# Altium PCB JTAG-批量下载V06.PcbDoc (part 12 of 13) (continued)
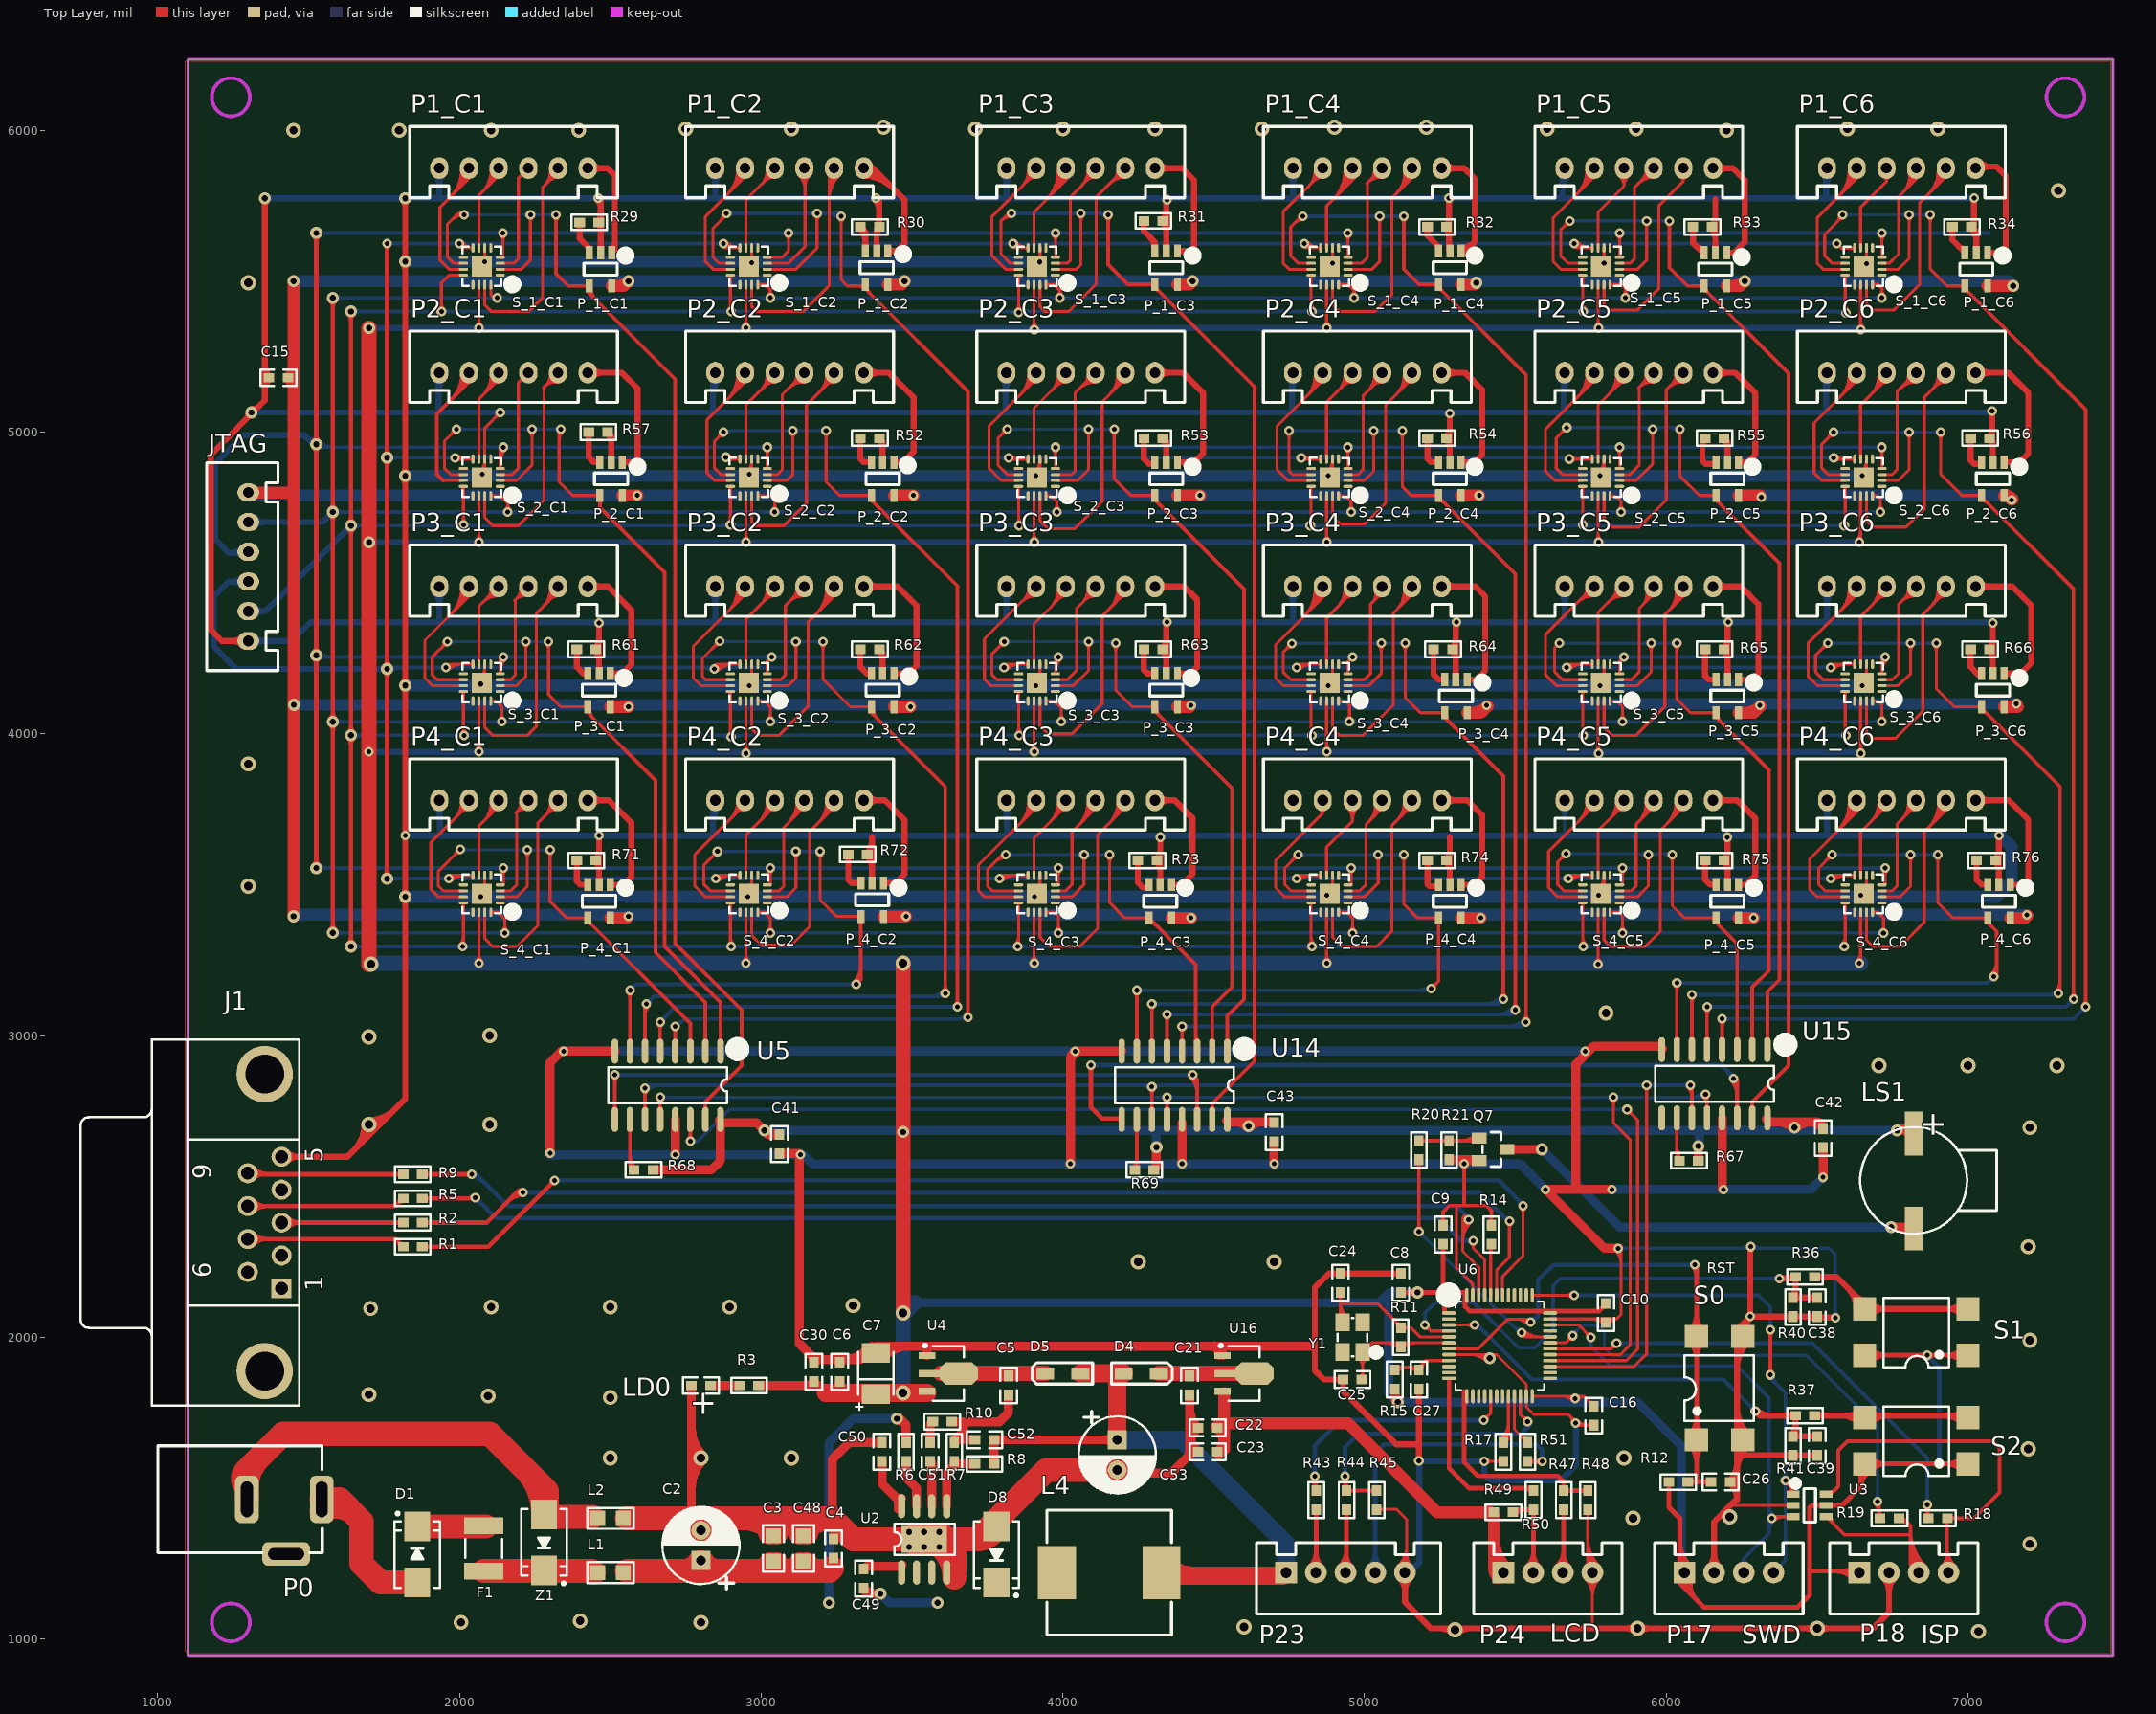
[diagram p0: Top Layer view]
## Nets (pads, with @x,y where several pads share a name; then routed paths per layer and width w, separated by ;. In a path a pad name is that pad's centre, name@x,y a point inside that pad or via, vN(x,y) a via of type N, cw(c..) or ccw(c..) an arc to the next point about the centre after c; other vN are vias at no path point) (continued)
TCK_2_C2: P2_C2.4 S_2_C2.7 | length 730.5
  Top Layer w10: S_2_C2.7@2949.13,4910.55 2949.13,5089.13 3044.72,5184.72 P2_C2.4@3044.72,5196.85 ; 2997.71,5137.71 ccw(c2944.58,5190.85) P2_C2.4@3019.72,5190.85 ; 2997.71,5137.71 ccw(c2944.58,5190.85) P2_C2.4@3019.72,5190.85 ; 2997.71,5137.71 ccw(c2944.58,5190.85) P2_C2.4@3019.72,5190.85 ; 3012.5,5152.5 cw(c3044.72,5120.29) P2_C2.4@3044.72,5165.85 ; 3012.5,5152.5 cw(c3044.72,5120.29) P2_C2.4@3044.72,5165.85 ; 3012.5,5152.5 cw(c3044.72,5120.29) P2_C2.4@3044.72,5165.85 ; 3014.79,5154.79 ccw(c2978.72,5190.85) P2_C2.4@3029.72,5190.85 ; 3014.79,5154.79 ccw(c2978.72,5190.85) P2_C2.4@3029.72,5190.85 ; 3014.79,5154.79 ccw(c2978.72,5190.85) P2_C2.4@3029.72,5190.85
TCK_2_C3: P2_C3.4 S_2_C3.7 | length 730
  Top Layer w10: S_2_C3.7@3904.13,4910.55 3904.13,5079.13 P2_C3.4@4015,5190 ; 3962.71,5137.71 ccw(c3909.58,5190.85) P2_C3.4@3984.72,5190.85 ; 3962.71,5137.71 ccw(c3909.58,5190.85) P2_C3.4@3984.72,5190.85 ; 3962.71,5137.71 ccw(c3909.58,5190.85) P2_C3.4@3984.72,5190.85 ; 3977.5,5152.5 cw(c4009.72,5120.29) P2_C3.4@4009.72,5165.85 ; 3977.5,5152.5 cw(c4009.72,5120.29) P2_C3.4@4009.72,5165.85 ; 3977.5,5152.5 cw(c4009.72,5120.29) P2_C3.4@4009.72,5165.85 ; 3979.79,5154.79 ccw(c3943.72,5190.85) P2_C3.4@3994.72,5190.85 ; 3979.79,5154.79 ccw(c3943.72,5190.85) P2_C3.4@3994.72,5190.85 ; 3979.79,5154.79 ccw(c3943.72,5190.85) P2_C3.4@3994.72,5190.85
TCK_2_C4: P2_C4.4 S_2_C4.7 | length 721.7
  Top Layer w10: S_2_C4.7@4874.13,4910.55 4874.13,5099.13 P2_C4.4@4965,5190 ; 4912.71,5137.71 ccw(c4859.58,5190.85) P2_C4.4@4934.72,5190.85 ; 4912.71,5137.71 ccw(c4859.58,5190.85) P2_C4.4@4934.72,5190.85 ; 4912.71,5137.71 ccw(c4859.58,5190.85) P2_C4.4@4934.72,5190.85 ; 4927.5,5152.5 cw(c4959.72,5120.29) P2_C4.4@4959.72,5165.85 ; 4927.5,5152.5 cw(c4959.72,5120.29) P2_C4.4@4959.72,5165.85 ; 4927.5,5152.5 cw(c4959.72,5120.29) P2_C4.4@4959.72,5165.85 ; 4929.79,5154.79 ccw(c4893.72,5190.85) P2_C4.4@4944.72,5190.85 ; 4929.79,5154.79 ccw(c4893.72,5190.85) P2_C4.4@4944.72,5190.85 ; 4929.79,5154.79 ccw(c4893.72,5190.85) P2_C4.4@4944.72,5190.85
TCK_2_C5: P2_C5.4 S_2_C5.7 | length 903.4
  Top Layer w10: S_2_C5.7@5774.13,4910.55 5774.13,5089.13 5859.72,5174.72 P2_C5.4@5859.72,5196.85 ; 5805.64,5120.64 ccw(c5735.44,5190.85) P2_C5.4@5834.72,5190.85 ; 5805.64,5120.64 ccw(c5735.44,5190.85) P2_C5.4@5834.72,5190.85 ; 5805.64,5120.64 ccw(c5735.44,5190.85) P2_C5.4@5834.72,5190.85 ; 5822.71,5137.71 ccw(c5769.58,5190.85) P2_C5.4@5844.72,5190.85 ; 5822.71,5137.71 ccw(c5769.58,5190.85) P2_C5.4@5844.72,5190.85 ; 5822.71,5137.71 ccw(c5769.58,5190.85) P2_C5.4@5844.72,5190.85 ; 5839.79,5154.79 ccw(c5803.72,5190.85) P2_C5.4@5854.72,5190.85 ; 5839.79,5154.79 ccw(c5803.72,5190.85) P2_C5.4@5854.72,5190.85 ; 5839.79,5154.79 ccw(c5803.72,5190.85) P2_C5.4@5854.72,5190.85 ; 5844.58,5159.58 cw(c5859.72,5144.43) P2_C5.4@5859.72,5165.85 ; 5844.58,5159.58 cw(c5859.72,5144.43) P2_C5.4@5859.72,5165.85 ; 5844.58,5159.58 cw(c5859.72,5144.43) P2_C5.4@5859.72,5165.85
TCK_2_C6: P2_C6.4 S_2_C6.7 | length 903.4
  Top Layer w10: S_2_C6.7@6644.13,4910.55 6644.13,5089.13 6729.72,5174.72 P2_C6.4@6729.72,5196.85 ; 6675.64,5120.64 ccw(c6605.44,5190.85) P2_C6.4@6704.72,5190.85 ; 6675.64,5120.64 ccw(c6605.44,5190.85) P2_C6.4@6704.72,5190.85 ; 6675.64,5120.64 ccw(c6605.44,5190.85) P2_C6.4@6704.72,5190.85 ; 6692.71,5137.71 ccw(c6639.58,5190.85) P2_C6.4@6714.72,5190.85 ; 6692.71,5137.71 ccw(c6639.58,5190.85) P2_C6.4@6714.72,5190.85 ; 6692.71,5137.71 ccw(c6639.58,5190.85) P2_C6.4@6714.72,5190.85 ; 6709.79,5154.79 ccw(c6673.72,5190.85) P2_C6.4@6724.72,5190.85 ; 6709.79,5154.79 ccw(c6673.72,5190.85) P2_C6.4@6724.72,5190.85 ; 6709.79,5154.79 ccw(c6673.72,5190.85) P2_C6.4@6724.72,5190.85 ; 6714.58,5159.58 cw(c6729.72,5144.43) P2_C6.4@6729.72,5165.85 ; 6714.58,5159.58 cw(c6729.72,5144.43) P2_C6.4@6729.72,5165.85 ; 6714.58,5159.58 cw(c6729.72,5144.43) P2_C6.4@6729.72,5165.85
TCK_3_C1: P3_C1.4 S_3_C1.7 | length 688.7
  Top Layer w10: S_3_C1.7@2064.13,4230.55 2064.13,4422.6 P3_C1.4@2129.72,4488.19 ; 2076.8,4435.27 cw(c2129.72,4382.35) P3_C1.4@2129.72,4457.19 ; 2076.8,4435.27 cw(c2129.72,4382.35) P3_C1.4@2129.72,4457.19 ; 2076.8,4435.27 cw(c2129.72,4382.35) P3_C1.4@2129.72,4457.19 ; 2091.29,4449.75 ccw(c2058.85,4482.19) P3_C1.4@2104.72,4482.19 ; 2091.29,4449.75 ccw(c2058.85,4482.19) P3_C1.4@2104.72,4482.19 ; 2091.29,4449.75 ccw(c2058.85,4482.19) P3_C1.4@2104.72,4482.19 ; 2093.87,4452.34 cw(c2129.72,4416.49) P3_C1.4@2129.72,4467.19 ; 2093.87,4452.34 cw(c2129.72,4416.49) P3_C1.4@2129.72,4467.19 ; 2093.87,4452.34 cw(c2129.72,4416.49) P3_C1.4@2129.72,4467.19
TCK_3_C2: P3_C2.4 S_3_C2.7 | length 696.4
  Top Layer w10: S_3_C2.7@2949.13,4230.55 2949.13,4379.13 P3_C2.4@3045,4475 ; 2996.77,4426.77 ccw(c2941.35,4482.19) P3_C2.4@3019.72,4482.19 ; 2996.77,4426.77 ccw(c2941.35,4482.19) P3_C2.4@3019.72,4482.19 ; 2996.77,4426.77 ccw(c2941.35,4482.19) P3_C2.4@3019.72,4482.19 ; 3013.84,4443.84 ccw(c2975.49,4482.19) P3_C2.4@3029.72,4482.19 ; 3013.84,4443.84 ccw(c2975.49,4482.19) P3_C2.4@3029.72,4482.19 ; 3013.84,4443.84 ccw(c2975.49,4482.19) P3_C2.4@3029.72,4482.19 ; 3014.79,4444.79 cw(c3044.72,4414.86) P3_C2.4@3044.72,4457.19 ; 3014.79,4444.79 cw(c3044.72,4414.86) P3_C2.4@3044.72,4457.19 ; 3014.79,4444.79 cw(c3044.72,4414.86) P3_C2.4@3044.72,4457.19
TCK_3_C3: P3_C3.4 S_3_C3.7 | length 830.4
  Top Layer w10: S_3_C3.7@3904.13,4230.55 3904.13,4364.13 P3_C3.4@4015,4475 ; 3958.23,4418.23 ccw(c3894.28,4482.19) P3_C3.4@3984.72,4482.19 ; 3958.23,4418.23 ccw(c3894.28,4482.19) P3_C3.4@3984.72,4482.19 ; 3958.23,4418.23 ccw(c3894.28,4482.19) P3_C3.4@3984.72,4482.19 ; 3975.3,4435.3 ccw(c3928.42,4482.19) P3_C3.4@3994.72,4482.19 ; 3975.3,4435.3 ccw(c3928.42,4482.19) P3_C3.4@3994.72,4482.19 ; 3975.3,4435.3 ccw(c3928.42,4482.19) P3_C3.4@3994.72,4482.19 ; 3988.33,4448.33 cw(c4009.72,4426.93) P3_C3.4@4009.72,4457.19 ; 3988.33,4448.33 cw(c4009.72,4426.93) P3_C3.4@4009.72,4457.19 ; 3988.33,4448.33 cw(c4009.72,4426.93) P3_C3.4@4009.72,4457.19 ; 3992.37,4452.37 ccw(c3962.56,4482.19) P3_C3.4@4004.72,4482.19 ; 3992.37,4452.37 ccw(c3962.56,4482.19) P3_C3.4@4004.72,4482.19 ; 3992.37,4452.37 ccw(c3962.56,4482.19) P3_C3.4@4004.72,4482.19
TCK_3_C4: P3_C4.4 S_3_C4.7 | length 822.1
  Top Layer w10: S_3_C4.7@4874.13,4230.55 4874.13,4384.13 P3_C4.4@4965,4475 ; 4908.23,4418.23 ccw(c4844.28,4482.19) P3_C4.4@4934.72,4482.19 ; 4908.23,4418.23 ccw(c4844.28,4482.19) P3_C4.4@4934.72,4482.19 ; 4908.23,4418.23 ccw(c4844.28,4482.19) P3_C4.4@4934.72,4482.19 ; 4925.3,4435.3 ccw(c4878.42,4482.19) P3_C4.4@4944.72,4482.19 ; 4925.3,4435.3 ccw(c4878.42,4482.19) P3_C4.4@4944.72,4482.19 ; 4925.3,4435.3 ccw(c4878.42,4482.19) P3_C4.4@4944.72,4482.19 ; 4938.33,4448.33 cw(c4959.72,4426.93) P3_C4.4@4959.72,4457.19 ; 4938.33,4448.33 cw(c4959.72,4426.93) P3_C4.4@4959.72,4457.19 ; 4938.33,4448.33 cw(c4959.72,4426.93) P3_C4.4@4959.72,4457.19 ; 4942.37,4452.37 ccw(c4912.56,4482.19) P3_C4.4@4954.72,4482.19 ; 4942.37,4452.37 ccw(c4912.56,4482.19) P3_C4.4@4954.72,4482.19 ; 4942.37,4452.37 ccw(c4912.56,4482.19) P3_C4.4@4954.72,4482.19
TCK_3_C5: P3_C5.4 S_3_C5.7 | length 697
  Top Layer w10: S_3_C5.7@5774.13,4230.55 5774.13,4402.6 P3_C5.4@5859.72,4488.19 ; 5806.8,4435.27 cw(c5859.72,4382.35) P3_C5.4@5859.72,4457.19 ; 5806.8,4435.27 cw(c5859.72,4382.35) P3_C5.4@5859.72,4457.19 ; 5806.8,4435.27 cw(c5859.72,4382.35) P3_C5.4@5859.72,4457.19 ; 5821.29,4449.75 ccw(c5788.85,4482.19) P3_C5.4@5834.72,4482.19 ; 5821.29,4449.75 ccw(c5788.85,4482.19) P3_C5.4@5834.72,4482.19 ; 5821.29,4449.75 ccw(c5788.85,4482.19) P3_C5.4@5834.72,4482.19 ; 5823.87,4452.34 cw(c5859.72,4416.49) P3_C5.4@5859.72,4467.19 ; 5823.87,4452.34 cw(c5859.72,4416.49) P3_C5.4@5859.72,4467.19 ; 5823.87,4452.34 cw(c5859.72,4416.49) P3_C5.4@5859.72,4467.19
TCK_3_C6: P3_C6.4 S_3_C6.7 | length 692.2
  Top Layer w10: S_3_C6.7@6644.13,4230.55 6644.13,4389.13 P3_C6.4@6730,4475 ; 6681.77,4426.77 ccw(c6626.35,4482.19) P3_C6.4@6704.72,4482.19 ; 6681.77,4426.77 ccw(c6626.35,4482.19) P3_C6.4@6704.72,4482.19 ; 6681.77,4426.77 ccw(c6626.35,4482.19) P3_C6.4@6704.72,4482.19 ; 6698.84,4443.84 ccw(c6660.49,4482.19) P3_C6.4@6714.72,4482.19 ; 6698.84,4443.84 ccw(c6660.49,4482.19) P3_C6.4@6714.72,4482.19 ; 6698.84,4443.84 ccw(c6660.49,4482.19) P3_C6.4@6714.72,4482.19 ; 6699.79,4444.79 cw(c6729.72,4414.86) P3_C6.4@6729.72,4457.19 ; 6699.79,4444.79 cw(c6729.72,4414.86) P3_C6.4@6729.72,4457.19 ; 6699.79,4444.79 cw(c6729.72,4414.86) P3_C6.4@6729.72,4457.19
TCK_4_C1: P4_C1.4 S_4_C1.7 | length 819
  Top Layer w10: S_4_C1.7@2064.13,3530.55 2064.13,3694.13 P4_C1.4@2135,3765 ; 2077.29,3707.29 ccw(c2011.04,3773.53) P4_C1.4@2104.72,3773.53 ; 2077.29,3707.29 ccw(c2011.04,3773.53) P4_C1.4@2104.72,3773.53 ; 2077.29,3707.29 ccw(c2011.04,3773.53) P4_C1.4@2104.72,3773.53 ; 2094.36,3724.36 ccw(c2045.19,3773.53) P4_C1.4@2114.72,3773.53 ; 2094.36,3724.36 ccw(c2045.19,3773.53) P4_C1.4@2114.72,3773.53 ; 2094.36,3724.36 ccw(c2045.19,3773.53) P4_C1.4@2114.72,3773.53 ; 2110.61,3740.61 cw(c2129.72,3721.5) P4_C1.4@2129.72,3748.53 ; 2110.61,3740.61 cw(c2129.72,3721.5) P4_C1.4@2129.72,3748.53 ; 2110.61,3740.61 cw(c2129.72,3721.5) P4_C1.4@2129.72,3748.53 ; 2111.43,3741.43 ccw(c2079.33,3773.53) P4_C1.4@2124.72,3773.53 ; 2111.43,3741.43 ccw(c2079.33,3773.53) P4_C1.4@2124.72,3773.53 ; 2111.43,3741.43 ccw(c2079.33,3773.53) P4_C1.4@2124.72,3773.53
TCK_4_C2: P4_C2.4 S_4_C2.7 | length 838.5
  Top Layer w10: S_4_C2.7@2949.13,3530.55 2949.13,3664.13 P4_C2.4@3055,3770 ; 2992.29,3707.29 ccw(c2926.04,3773.53) P4_C2.4@3019.72,3773.53 ; 2992.29,3707.29 ccw(c2926.04,3773.53) P4_C2.4@3019.72,3773.53 ; 2992.29,3707.29 ccw(c2926.04,3773.53) P4_C2.4@3019.72,3773.53 ; 3009.36,3724.36 ccw(c2960.19,3773.53) P4_C2.4@3029.72,3773.53 ; 3009.36,3724.36 ccw(c2960.19,3773.53) P4_C2.4@3029.72,3773.53 ; 3009.36,3724.36 ccw(c2960.19,3773.53) P4_C2.4@3029.72,3773.53 ; 3025.61,3740.61 cw(c3044.72,3721.5) P4_C2.4@3044.72,3748.53 ; 3025.61,3740.61 cw(c3044.72,3721.5) P4_C2.4@3044.72,3748.53 ; 3025.61,3740.61 cw(c3044.72,3721.5) P4_C2.4@3044.72,3748.53 ; 3026.43,3741.43 ccw(c2994.33,3773.53) P4_C2.4@3039.72,3773.53 ; 3026.43,3741.43 ccw(c2994.33,3773.53) P4_C2.4@3039.72,3773.53 ; 3026.43,3741.43 ccw(c2994.33,3773.53) P4_C2.4@3039.72,3773.53
TCK_4_C3: P4_C3.4 S_4_C3.7 | length 842.7
  Top Layer w10: S_4_C3.7@3904.13,3530.55 3904.13,3654.13 P4_C3.4@4020,3770 ; 3957.29,3707.29 ccw(c3891.04,3773.53) P4_C3.4@3984.72,3773.53 ; 3957.29,3707.29 ccw(c3891.04,3773.53) P4_C3.4@3984.72,3773.53 ; 3957.29,3707.29 ccw(c3891.04,3773.53) P4_C3.4@3984.72,3773.53 ; 3974.36,3724.36 ccw(c3925.19,3773.53) P4_C3.4@3994.72,3773.53 ; 3974.36,3724.36 ccw(c3925.19,3773.53) P4_C3.4@3994.72,3773.53 ; 3974.36,3724.36 ccw(c3925.19,3773.53) P4_C3.4@3994.72,3773.53 ; 3990.61,3740.61 cw(c4009.72,3721.5) P4_C3.4@4009.72,3748.53 ; 3990.61,3740.61 cw(c4009.72,3721.5) P4_C3.4@4009.72,3748.53 ; 3990.61,3740.61 cw(c4009.72,3721.5) P4_C3.4@4009.72,3748.53 ; 3991.43,3741.43 ccw(c3959.33,3773.53) P4_C3.4@4004.72,3773.53 ; 3991.43,3741.43 ccw(c3959.33,3773.53) P4_C3.4@4004.72,3773.53 ; 3991.43,3741.43 ccw(c3959.33,3773.53) P4_C3.4@4004.72,3773.53
TCK_4_C4: P4_C4.4 S_4_C4.7 | length 739.5
  Top Layer w10: S_4_C4.7@4874.13,3530.55 4874.13,3624.13 4959.72,3709.72 P4_C4.4@4959.72,3779.53 ; P4_C4.4@4942.05,3755.85 cw(c4899.37,3713.17) 4959.72,3713.17 ; P4_C4.4@4942.05,3755.85 cw(c4899.37,3713.17) 4959.72,3713.17 ; P4_C4.4@4942.05,3755.85 cw(c4899.37,3713.17) 4959.72,3713.17 ; P4_C4.4@4949.12,3762.92 cw(c4923.51,3737.31) 4959.72,3737.31 ; P4_C4.4@4949.12,3762.92 cw(c4923.51,3737.31) 4959.72,3737.31 ; P4_C4.4@4949.12,3762.92 cw(c4923.51,3737.31) 4959.72,3737.31 ; 4959.72,3713.17 cw(c5020.08,3713.17) P4_C4.4@4977.4,3755.85 ; 4959.72,3713.17 cw(c5020.08,3713.17) P4_C4.4@4977.4,3755.85 ; 4959.72,3713.17 cw(c5020.08,3713.17) P4_C4.4@4977.4,3755.85 ; 4959.72,3737.31 cw(c4995.94,3737.31) P4_C4.4@4970.33,3762.92 ; 4959.72,3737.31 cw(c4995.94,3737.31) P4_C4.4@4970.33,3762.92 ; 4959.72,3737.31 cw(c4995.94,3737.31) P4_C4.4@4970.33,3762.92
TCK_4_C5: P4_C5.4 S_4_C5.7 | length 696.9
  Top Layer w10: S_4_C5.7@5774.13,3530.55 5774.13,3679.13 P4_C5.4@5865,3770 ; 5810.82,3715.82 ccw(c5753.11,3773.53) P4_C5.4@5834.72,3773.53 ; 5810.82,3715.82 ccw(c5753.11,3773.53) P4_C5.4@5834.72,3773.53 ; 5810.82,3715.82 ccw(c5753.11,3773.53) P4_C5.4@5834.72,3773.53 ; 5827.89,3732.89 ccw(c5787.26,3773.53) P4_C5.4@5844.72,3773.53 ; 5827.89,3732.89 ccw(c5787.26,3773.53) P4_C5.4@5844.72,3773.53 ; 5827.89,3732.89 ccw(c5787.26,3773.53) P4_C5.4@5844.72,3773.53 ; 5832.07,3737.08 cw(c5859.72,3709.43) P4_C5.4@5859.72,3748.53 ; 5832.07,3737.08 cw(c5859.72,3709.43) P4_C5.4@5859.72,3748.53 ; 5832.07,3737.08 cw(c5859.72,3709.43) P4_C5.4@5859.72,3748.53
TCK_4_C6: P4_C6.4 S_4_C6.7 | length 834.4
  Top Layer w10: S_4_C6.7@6644.13,3530.55 6644.13,3674.13 P4_C6.4@6740,3770 ; 6677.29,3707.29 ccw(c6611.04,3773.53) P4_C6.4@6704.72,3773.53 ; 6677.29,3707.29 ccw(c6611.04,3773.53) P4_C6.4@6704.72,3773.53 ; 6677.29,3707.29 ccw(c6611.04,3773.53) P4_C6.4@6704.72,3773.53 ; 6694.36,3724.36 ccw(c6645.19,3773.53) P4_C6.4@6714.72,3773.53 ; 6694.36,3724.36 ccw(c6645.19,3773.53) P4_C6.4@6714.72,3773.53 ; 6694.36,3724.36 ccw(c6645.19,3773.53) P4_C6.4@6714.72,3773.53 ; 6710.61,3740.61 cw(c6729.72,3721.5) P4_C6.4@6729.72,3748.53 ; 6710.61,3740.61 cw(c6729.72,3721.5) P4_C6.4@6729.72,3748.53 ; 6710.61,3740.61 cw(c6729.72,3721.5) P4_C6.4@6729.72,3748.53 ; 6711.43,3741.43 ccw(c6679.33,3773.53) P4_C6.4@6724.72,3773.53 ; 6711.43,3741.43 ccw(c6679.33,3773.53) P4_C6.4@6724.72,3773.53 ; 6711.43,3741.43 ccw(c6679.33,3773.53) P4_C6.4@6724.72,3773.53
TDI_1_C1: P1_C1.3 S_1_C1.3 | length 380.2
  Top Layer w10: S_1_C1.3@2135,5559.37 2179.37,5559.37 2195,5575 2195,5841.85 P1_C1.3@2228.15,5875
TDI_1_C2: P1_C2.3 S_1_C2.3 | length 867.3
  Top Layer w10: S_1_C2.3@3020,5559.37 3089.37,5559.37 3145,5615 3145,5865 P1_C2.3@3135,5875 ; P1_C2.3@3125.47,5851.32 cw(c3078.33,5804.18) 3145,5804.18 ; P1_C2.3@3125.47,5851.32 cw(c3078.33,5804.18) 3145,5804.18 ; P1_C2.3@3125.47,5851.32 cw(c3078.33,5804.18) 3145,5804.18 ; P1_C2.3@3132.54,5858.39 cw(c3102.47,5828.32) 3145,5828.32 ; P1_C2.3@3132.54,5858.39 cw(c3102.47,5828.32) 3145,5828.32 ; P1_C2.3@3132.54,5858.39 cw(c3102.47,5828.32) 3145,5828.32 ; 3145,5813.11 cw(c3199.04,5813.11) P1_C2.3@3160.83,5851.32 ; 3145,5813.11 cw(c3199.04,5813.11) P1_C2.3@3160.83,5851.32 ; 3145,5813.11 cw(c3199.04,5813.11) P1_C2.3@3160.83,5851.32 ; 3145,5837.25 cw(c3174.9,5837.25) P1_C2.3@3153.76,5858.39 ; 3145,5837.25 cw(c3174.9,5837.25) P1_C2.3@3153.76,5858.39 ; 3145,5837.25 cw(c3174.9,5837.25) P1_C2.3@3153.76,5858.39
TDI_1_C3: P1_C3.3 S_1_C3.3 | length 787.6
  Top Layer w10: S_1_C3.3@3975,5559.37 4014.37,5559.37 4025,5570 4025,5780 P1_C3.3@4110,5865 ; 4061.34,5816.34 ccw(c4008.67,5869) P1_C3.3@4083.15,5869 ; 4061.34,5816.34 ccw(c4008.67,5869) P1_C3.3@4083.15,5869 ; 4061.34,5816.34 ccw(c4008.67,5869) P1_C3.3@4083.15,5869 ; 4075.46,5830.46 cw(c4108.15,5797.77) P1_C3.3@4108.15,5844 ; 4075.46,5830.46 cw(c4108.15,5797.77) P1_C3.3@4108.15,5844 ; 4075.46,5830.46 cw(c4108.15,5797.77) P1_C3.3@4108.15,5844 ; 4078.41,5833.41 ccw(c4042.81,5869) P1_C3.3@4093.15,5869 ; 4078.41,5833.41 ccw(c4042.81,5869) P1_C3.3@4093.15,5869 ; 4078.41,5833.41 ccw(c4042.81,5869) P1_C3.3@4093.15,5869
TDI_1_C4: P1_C4.3 S_1_C4.3 | length 778.1
  Top Layer w10: S_1_C4.3@4945,5559.37 4989.37,5559.37 5010,5580 5010,5826.85 P1_C4.3@5058.15,5875 ; 5007,5823.85 cw(c5055.72,5775.14) P1_C4.3@5057.5,5844.01 ; 5007,5823.85 cw(c5055.72,5775.14) P1_C4.3@5057.5,5844.01 ; 5007,5823.85 cw(c5055.72,5775.14) P1_C4.3@5057.5,5844.01 ; 5019.71,5836.56 ccw(c4987.28,5869) P1_C4.3@5033.15,5869 ; 5019.71,5836.56 ccw(c4987.28,5869) P1_C4.3@5033.15,5869 ; 5019.71,5836.56 ccw(c4987.28,5869) P1_C4.3@5033.15,5869 ; 5023.47,5840.32 cw(c5056.55,5807.24) P1_C4.3@5057.76,5854.01 ; 5023.47,5840.32 cw(c5056.55,5807.24) P1_C4.3@5057.76,5854.01 ; 5023.47,5840.32 cw(c5056.55,5807.24) P1_C4.3@5057.76,5854.01
TDI_1_C5: P1_C5.3 S_1_C5.3 | length 786.5
  Top Layer w10: S_1_C5.3@5845,5559.37 5879.37,5559.37 5895,5575 5895,5811.85 P1_C5.3@5958.15,5875 ; 5905.23,5822.08 cw(c5958.15,5769.16) P1_C5.3@5958.15,5844 ; 5905.23,5822.08 cw(c5958.15,5769.16) P1_C5.3@5958.15,5844 ; 5905.23,5822.08 cw(c5958.15,5769.16) P1_C5.3@5958.15,5844 ; 5919.71,5836.56 ccw(c5887.28,5869) P1_C5.3@5933.15,5869 ; 5919.71,5836.56 ccw(c5887.28,5869) P1_C5.3@5933.15,5869 ; 5919.71,5836.56 ccw(c5887.28,5869) P1_C5.3@5933.15,5869 ; 5922.3,5839.15 cw(c5958.15,5803.3) P1_C5.3@5958.15,5854 ; 5922.3,5839.15 cw(c5958.15,5803.3) P1_C5.3@5958.15,5854 ; 5922.3,5839.15 cw(c5958.15,5803.3) P1_C5.3@5958.15,5854
TDI_1_C6: P1_C6.3 S_1_C6.3 | length 1059.8
  Top Layer w10: S_1_C6.3@6715,5559.37 6739.37,5559.37 6770,5590 6770,5780 6828.15,5838.15 P1_C6.3@6828.15,5875 ; 6785.43,5795.43 ccw(c6735.48,5845.37) P1_C6.3@6803.93,5862.82 ; 6785.43,5795.43 ccw(c6735.48,5845.37) P1_C6.3@6803.93,5862.82 ; 6785.43,5795.43 ccw(c6735.48,5845.37) P1_C6.3@6803.93,5862.82 ; 6797.85,5807.85 ccw(c6755.28,5850.42) P1_C6.3@6813.62,5865.29 ; 6797.85,5807.85 ccw(c6755.28,5850.42) P1_C6.3@6813.62,5865.29 ; 6797.85,5807.85 ccw(c6755.28,5850.42) P1_C6.3@6813.62,5865.29 ; 6810.27,5820.27 ccw(c6775.07,5855.47) P1_C6.3@6823.31,5867.76 ; 6810.27,5820.27 ccw(c6775.07,5855.47) P1_C6.3@6823.31,5867.76 ; 6810.27,5820.27 ccw(c6775.07,5855.47) P1_C6.3@6823.31,5867.76 ; 6822.69,5832.69 ccw(c6794.87,5860.51) P1_C6.3@6832.99,5870.24 ; 6822.69,5832.69 ccw(c6794.87,5860.51) P1_C6.3@6832.99,5870.24 ; 6822.69,5832.69 ccw(c6794.87,5860.51) P1_C6.3@6832.99,5870.24
TDI_2_C1: P2_C1.3 S_2_C1.3 | length 399.1
  Top Layer w10: S_2_C1.3@2135,4859.37 2174.37,4859.37 2195,4880 2195,5163.7 P2_C1.3@2228.15,5196.85
TDI_2_C2: P2_C2.3 S_2_C2.3 | length 820.7
  Top Layer w10: S_2_C2.3@3020,4859.37 3054.37,4859.37 3070,4875 3070,5125 3141.85,5196.85 P2_C2.3@3143.15,5196.85 ; 3088.01,5143.01 cw(c3143.15,5087.87) P2_C2.3@3143.15,5165.85 ; 3088.01,5143.01 cw(c3143.15,5087.87) P2_C2.3@3143.15,5165.85 ; 3088.01,5143.01 cw(c3143.15,5087.87) P2_C2.3@3143.15,5165.85 ; 3105.08,5160.08 cw(c3143.15,5122.01) P2_C2.3@3143.15,5175.85 ; 3105.08,5160.08 cw(c3143.15,5122.01) P2_C2.3@3143.15,5175.85 ; 3105.08,5160.08 cw(c3143.15,5122.01) P2_C2.3@3143.15,5175.85 ; 3105.63,5160.63 ccw(c3075.42,5190.85) P2_C2.3@3118.15,5190.85 ; 3105.63,5160.63 ccw(c3075.42,5190.85) P2_C2.3@3118.15,5190.85 ; 3105.63,5160.63 ccw(c3075.42,5190.85) P2_C2.3@3118.15,5190.85
TDI_2_C3: P2_C3.3 S_2_C3.3 | length 828.4
  Top Layer w10: S_2_C3.3@3975,4859.37 4029.37,4859.37 4040,4870 4040,5128.7 P2_C3.3@4108.15,5196.85 ; 4055.23,5143.93 cw(c4108.15,5091.01) P2_C3.3@4108.15,5165.85 ; 4055.23,5143.93 cw(c4108.15,5091.01) P2_C3.3@4108.15,5165.85 ; 4055.23,5143.93 cw(c4108.15,5091.01) P2_C3.3@4108.15,5165.85 ; 4069.71,5158.42 ccw(c4037.28,5190.85) P2_C3.3@4083.15,5190.85 ; 4069.71,5158.42 ccw(c4037.28,5190.85) P2_C3.3@4083.15,5190.85 ; 4069.71,5158.42 ccw(c4037.28,5190.85) P2_C3.3@4083.15,5190.85 ; 4072.3,5161 cw(c4108.15,5125.15) P2_C3.3@4108.15,5175.85 ; 4072.3,5161 cw(c4108.15,5125.15) P2_C3.3@4108.15,5175.85 ; 4072.3,5161 cw(c4108.15,5125.15) P2_C3.3@4108.15,5175.85
TDI_2_C4: P2_C4.3 S_2_C4.3 | length 814
  Top Layer w10: S_2_C4.3@4945,4859.37 4979.37,4859.37 4995,4875 4995,5120 P2_C4.3@5065,5190 ; 5010.03,5135.03 ccw(c4954.2,5190.85) P2_C4.3@5033.15,5190.85 ; 5010.03,5135.03 ccw(c4954.2,5190.85) P2_C4.3@5033.15,5190.85 ; 5010.03,5135.03 ccw(c4954.2,5190.85) P2_C4.3@5033.15,5190.85 ; 5027.1,5152.1 ccw(c4988.35,5190.85) P2_C4.3@5043.15,5190.85 ; 5027.1,5152.1 ccw(c4988.35,5190.85) P2_C4.3@5043.15,5190.85 ; 5027.1,5152.1 ccw(c4988.35,5190.85) P2_C4.3@5043.15,5190.85 ; 5028.62,5153.62 cw(c5058.15,5124.09) P2_C4.3@5058.15,5165.85 ; 5028.62,5153.62 cw(c5058.15,5124.09) P2_C4.3@5058.15,5165.85 ; 5028.62,5153.62 cw(c5058.15,5124.09) P2_C4.3@5058.15,5165.85
TDI_2_C5: P2_C5.3 S_2_C5.3 | length 794.1
  Top Layer w10: S_2_C5.3@5845,4859.37 5879.37,4859.37 5910,4890 5910,5148.7 P2_C5.3@5958.15,5196.85 ; 5907,5145.7 cw(c5955.72,5096.99) P2_C5.3@5957.5,5165.86 ; 5907,5145.7 cw(c5955.72,5096.99) P2_C5.3@5957.5,5165.86 ; 5907,5145.7 cw(c5955.72,5096.99) P2_C5.3@5957.5,5165.86 ; 5919.71,5158.42 ccw(c5887.28,5190.85) P2_C5.3@5933.15,5190.85 ; 5919.71,5158.42 ccw(c5887.28,5190.85) P2_C5.3@5933.15,5190.85 ; 5919.71,5158.42 ccw(c5887.28,5190.85) P2_C5.3@5933.15,5190.85 ; 5923.47,5162.17 cw(c5956.55,5129.09) P2_C5.3@5957.76,5175.86 ; 5923.47,5162.17 cw(c5956.55,5129.09) P2_C5.3@5957.76,5175.86 ; 5923.47,5162.17 cw(c5956.55,5129.09) P2_C5.3@5957.76,5175.86
TDI_2_C6: P2_C6.3 S_2_C6.3 | length 808.4
  Top Layer w10: S_2_C6.3@6715,4859.37 6749.37,4859.37 6765,4875 6765,5133.7 P2_C6.3@6828.15,5196.85 ; 6775.23,5143.93 cw(c6828.15,5091.01) P2_C6.3@6828.15,5165.85 ; 6775.23,5143.93 cw(c6828.15,5091.01) P2_C6.3@6828.15,5165.85 ; 6775.23,5143.93 cw(c6828.15,5091.01) P2_C6.3@6828.15,5165.85 ; 6789.71,5158.42 ccw(c6757.28,5190.85) P2_C6.3@6803.15,5190.85 ; 6789.71,5158.42 ccw(c6757.28,5190.85) P2_C6.3@6803.15,5190.85 ; 6789.71,5158.42 ccw(c6757.28,5190.85) P2_C6.3@6803.15,5190.85 ; 6792.3,5161 cw(c6828.15,5125.15) P2_C6.3@6828.15,5175.85 ; 6792.3,5161 cw(c6828.15,5125.15) P2_C6.3@6828.15,5175.85 ; 6792.3,5161 cw(c6828.15,5125.15) P2_C6.3@6828.15,5175.85
TDI_3_C1: P3_C1.3 S_3_C1.3 | length 716.4
  Top Layer w10: S_3_C1.3@2135,4179.37 2169.37,4179.37 2185,4195 2185,4445.04 P3_C1.3@2228.15,4488.19 ; 2182,4442.04 cw(c2219.68,4404.36) P3_C1.3@2225.45,4457.34 ; 2182,4442.04 cw(c2219.68,4404.36) P3_C1.3@2225.45,4457.34 ; 2182,4442.04 cw(c2219.68,4404.36) P3_C1.3@2225.45,4457.34 ; 2189.71,4449.75 ccw(c2157.28,4482.19) P3_C1.3@2203.15,4482.19 ; 2189.71,4449.75 ccw(c2157.28,4482.19) P3_C1.3@2203.15,4482.19 ; 2189.71,4449.75 ccw(c2157.28,4482.19) P3_C1.3@2203.15,4482.19 ; 2196.76,4456.8 cw(c2222.58,4430.98) P3_C1.3@2226.53,4467.28 ; 2196.76,4456.8 cw(c2222.58,4430.98) P3_C1.3@2226.53,4467.28 ; 2196.76,4456.8 cw(c2222.58,4430.98) P3_C1.3@2226.53,4467.28
TDI_3_C2: P3_C2.3 S_3_C2.3 | length 789.7
  Top Layer w10: S_3_C2.3@3020,4179.37 3064.37,4179.37 3080,4195 3080,4425.04 P3_C2.3@3143.15,4488.19 ; 3090.23,4435.27 cw(c3143.15,4382.35) P3_C2.3@3143.15,4457.19 ; 3090.23,4435.27 cw(c3143.15,4382.35) P3_C2.3@3143.15,4457.19 ; 3090.23,4435.27 cw(c3143.15,4382.35) P3_C2.3@3143.15,4457.19 ; 3104.71,4449.75 ccw(c3072.28,4482.19) P3_C2.3@3118.15,4482.19 ; 3104.71,4449.75 ccw(c3072.28,4482.19) P3_C2.3@3118.15,4482.19 ; 3104.71,4449.75 ccw(c3072.28,4482.19) P3_C2.3@3118.15,4482.19 ; 3107.3,4452.34 cw(c3143.15,4416.49) P3_C2.3@3143.15,4467.19 ; 3107.3,4452.34 cw(c3143.15,4416.49) P3_C2.3@3143.15,4467.19 ; 3107.3,4452.34 cw(c3143.15,4416.49) P3_C2.3@3143.15,4467.19
TDI_3_C3: P3_C3.3 S_3_C3.3 | length 779.4
  Top Layer w10: S_3_C3.3@3975,4179.37 4014.37,4179.37 4045,4210 4045,4415 P3_C3.3@4115,4485 ; 4062.62,4432.62 ccw(c4013.04,4482.19) P3_C3.3@4083.15,4482.19 ; 4062.62,4432.62 ccw(c4013.04,4482.19) P3_C3.3@4083.15,4482.19 ; 4062.62,4432.62 ccw(c4013.04,4482.19) P3_C3.3@4083.15,4482.19 ; 4072.37,4442.37 cw(c4108.15,4406.58) P3_C3.3@4108.15,4457.19 ; 4072.37,4442.37 cw(c4108.15,4406.58) P3_C3.3@4108.15,4457.19 ; 4072.37,4442.37 cw(c4108.15,4406.58) P3_C3.3@4108.15,4457.19 ; 4079.69,4449.69 ccw(c4047.19,4482.19) P3_C3.3@4093.15,4482.19 ; 4079.69,4449.69 ccw(c4047.19,4482.19) P3_C3.3@4093.15,4482.19 ; 4079.69,4449.69 ccw(c4047.19,4482.19) P3_C3.3@4093.15,4482.19
TDI_3_C4: P3_C4.3 S_3_C4.3 | length 658
  Top Layer w10: S_3_C4.3@4945,4179.37 4999.37,4179.37 5020,4200 5020,4430 P3_C4.3@5070,4480 ; 5027.02,4437.02 ccw(c5002.89,4461.15) P3_C4.3@5034.79,4473.3 ; 5027.02,4437.02 ccw(c5002.89,4461.15) P3_C4.3@5034.79,4473.3 ; 5027.02,4437.02 ccw(c5002.89,4461.15) P3_C4.3@5034.79,4473.3 ; 5037.94,4447.94 ccw(c5018.71,4467.18) P3_C4.3@5044.13,4476.85 ; 5037.94,4447.94 ccw(c5018.71,4467.18) P3_C4.3@5044.13,4476.85 ; 5037.94,4447.94 ccw(c5018.71,4467.18) P3_C4.3@5044.13,4476.85 ; 5039.44,4449.44 cw(c5058.15,4430.73) P3_C4.3@5058.15,4457.19 ; 5039.44,4449.44 cw(c5058.15,4430.73) P3_C4.3@5058.15,4457.19 ; 5039.44,4449.44 cw(c5058.15,4430.73) P3_C4.3@5058.15,4457.19
TDI_3_C5: P3_C5.3 S_3_C5.3 | length 817.1
  Top Layer w10: S_3_C5.3@5845,4179.37 5884.37,4179.37 5910,4205 5910,4415 P3_C5.3@5975,4480 ; 5919.52,4424.52 ccw(c5880.98,4463.06) P3_C5.3@5933.88,4476.17 ; 5919.52,4424.52 ccw(c5880.98,4463.06) P3_C5.3@5933.88,4476.17 ; 5919.52,4424.52 ccw(c5880.98,4463.06) P3_C5.3@5933.88,4476.17 ; 5932.04,4437.04 ccw(c5901.04,4468.03) P3_C5.3@5943.59,4478.58 ; 5932.04,4437.04 ccw(c5901.04,4468.03) P3_C5.3@5943.59,4478.58 ; 5932.04,4437.04 ccw(c5901.04,4468.03) P3_C5.3@5943.59,4478.58 ; 5944.56,4449.56 ccw(c5921.11,4473.01) P3_C5.3@5953.3,4480.99 ; 5944.56,4449.56 ccw(c5921.11,4473.01) P3_C5.3@5953.3,4480.99 ; 5944.56,4449.56 ccw(c5921.11,4473.01) P3_C5.3@5953.3,4480.99 ; 5947.97,4452.97 cw(c5958.15,4442.8) P3_C5.3@5958.15,4457.19 ; 5947.97,4452.97 cw(c5958.15,4442.8) P3_C5.3@5958.15,4457.19 ; 5947.97,4452.97 cw(c5958.15,4442.8) P3_C5.3@5958.15,4457.19
TDI_3_C6: P3_C6.3 S_3_C6.3 | length 779.7
  Top Layer w10: S_3_C6.3@6715,4179.37 6749.37,4179.37 6770,4200 6770,4430.04 P3_C6.3@6828.15,4488.19 ; 6775.23,4435.27 cw(c6828.15,4382.35) P3_C6.3@6828.15,4457.19 ; 6775.23,4435.27 cw(c6828.15,4382.35) P3_C6.3@6828.15,4457.19 ; 6775.23,4435.27 cw(c6828.15,4382.35) P3_C6.3@6828.15,4457.19 ; 6789.71,4449.75 ccw(c6757.28,4482.19) P3_C6.3@6803.15,4482.19 ; 6789.71,4449.75 ccw(c6757.28,4482.19) P3_C6.3@6803.15,4482.19 ; 6789.71,4449.75 ccw(c6757.28,4482.19) P3_C6.3@6803.15,4482.19 ; 6792.3,4452.34 cw(c6828.15,4416.49) P3_C6.3@6828.15,4467.19 ; 6792.3,4452.34 cw(c6828.15,4416.49) P3_C6.3@6828.15,4467.19 ; 6792.3,4452.34 cw(c6828.15,4416.49) P3_C6.3@6828.15,4467.19
TDI_4_C1: P4_C1.3 S_4_C1.3 | length 665.9
  Top Layer w10: S_4_C1.3@2135,3479.37 2169.37,3479.37 2190,3500 2190,3741.38 P4_C1.3@2228.15,3779.53 ; 2187,3738.38 cw(c2214.85,3710.53) P4_C1.3@2222.99,3749.07 ; 2187,3738.38 cw(c2214.85,3710.53) P4_C1.3@2222.99,3749.07 ; 2187,3738.38 cw(c2214.85,3710.53) P4_C1.3@2222.99,3749.07 ; 2189.71,3741.09 ccw(c2157.28,3773.53) P4_C1.3@2203.15,3773.53 ; 2189.71,3741.09 ccw(c2157.28,3773.53) P4_C1.3@2203.15,3773.53 ; 2189.71,3741.09 ccw(c2157.28,3773.53) P4_C1.3@2203.15,3773.53 ; 2200.05,3751.42 cw(c2219.4,3732.07) P4_C1.3@2225.05,3758.85 ; 2200.05,3751.42 cw(c2219.4,3732.07) P4_C1.3@2225.05,3758.85 ; 2200.05,3751.42 cw(c2219.4,3732.07) P4_C1.3@2225.05,3758.85
TDI_4_C2: P4_C2.3 S_4_C2.3 | length 942.7
  Top Layer w10: S_4_C2.3@3020,3479.37 3059.37,3479.37 3075,3495 3075,3690 P4_C2.3@3155,3770 ; 3089.6,3704.6 ccw(c3020.67,3773.53) P4_C2.3@3118.15,3773.53 ; 3089.6,3704.6 ccw(c3020.67,3773.53) P4_C2.3@3118.15,3773.53 ; 3089.6,3704.6 ccw(c3020.67,3773.53) P4_C2.3@3118.15,3773.53 ; 3106.67,3721.67 ccw(c3054.81,3773.53) P4_C2.3@3128.15,3773.53 ; 3106.67,3721.67 ccw(c3054.81,3773.53) P4_C2.3@3128.15,3773.53 ; 3106.67,3721.67 ccw(c3054.81,3773.53) P4_C2.3@3128.15,3773.53 ; 3123.74,3738.74 ccw(c3088.95,3773.53) P4_C2.3@3138.15,3773.53 ; 3123.74,3738.74 ccw(c3088.95,3773.53) P4_C2.3@3138.15,3773.53 ; 3123.74,3738.74 ccw(c3088.95,3773.53) P4_C2.3@3138.15,3773.53 ; 3126.72,3741.72 cw(c3143.15,3725.3) P4_C2.3@3143.15,3748.53 ; 3126.72,3741.72 cw(c3143.15,3725.3) P4_C2.3@3143.15,3748.53 ; 3126.72,3741.72 cw(c3143.15,3725.3) P4_C2.3@3143.15,3748.53
TDI_4_C3: P4_C3.3 S_4_C3.3 | length 969.5
  Top Layer w10: S_4_C3.3@3975,3479.37 4009.37,3479.37 4030,3500 4030,3675 P4_C3.3@4120,3765 ; 4051.06,3696.06 ccw(c3973.6,3773.53) P4_C3.3@4083.15,3773.53 ; 4051.06,3696.06 ccw(c3973.6,3773.53) P4_C3.3@4083.15,3773.53 ; 4051.06,3696.06 ccw(c3973.6,3773.53) P4_C3.3@4083.15,3773.53 ; 4068.13,3713.13 ccw(c4007.74,3773.53) P4_C3.3@4093.15,3773.53 ; 4068.13,3713.13 ccw(c4007.74,3773.53) P4_C3.3@4093.15,3773.53 ; 4068.13,3713.13 ccw(c4007.74,3773.53) P4_C3.3@4093.15,3773.53 ; 4085.21,3730.21 ccw(c4041.88,3773.53) P4_C3.3@4103.15,3773.53 ; 4085.21,3730.21 ccw(c4041.88,3773.53) P4_C3.3@4103.15,3773.53 ; 4085.21,3730.21 ccw(c4041.88,3773.53) P4_C3.3@4103.15,3773.53